# Altium PCB BW2098POE.PcbDoc (part 3 of 4) (continued)
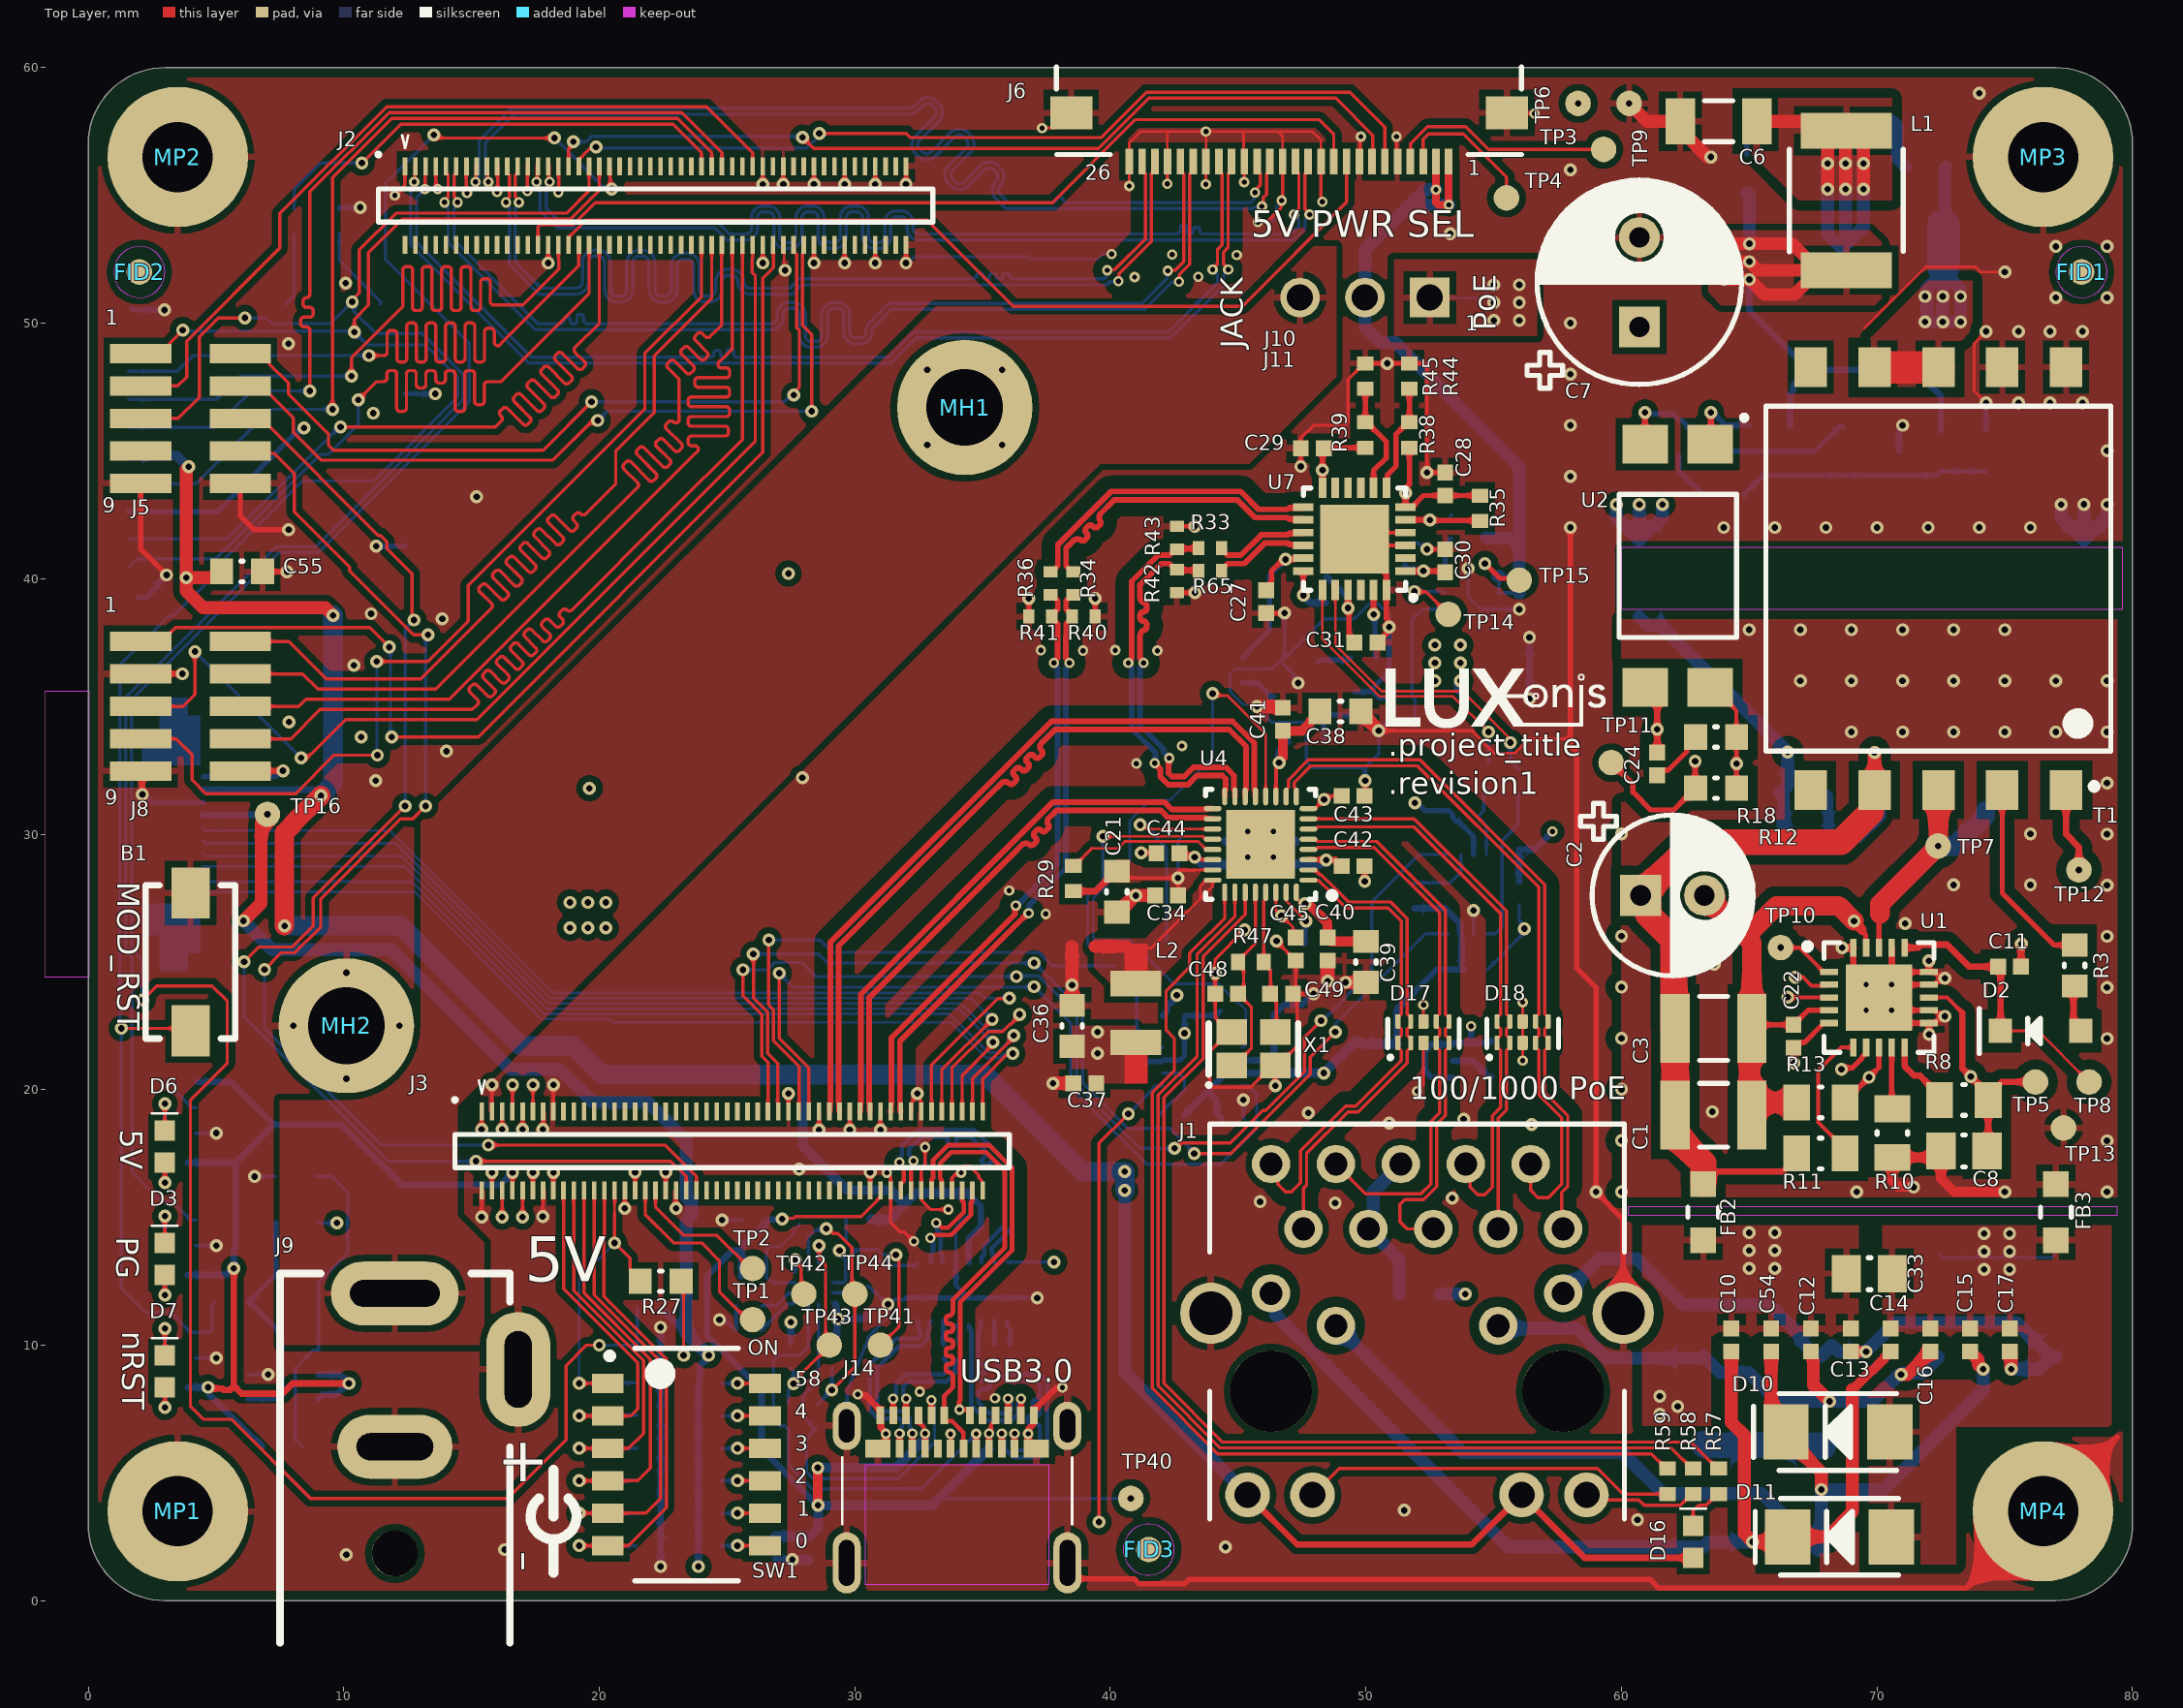
[diagram p0: Top Layer view]
## Nets (pads, with @x,y where several pads share a name; then routed paths per layer and width w, separated by ;. In a path a pad name is that pad's centre, name@x,y a point inside that pad or via, vN(x,y) a via of type N, cw(c..) or ccw(c..) an arc to the next point about the centre after c; other vN are vias at no path point) (continued)
MD2_N: D17.5 D17.6 J1.6 U4.5 | length 21.6
  Top Layer w0.13: U4.5@47.75,29.8 48.019,29.8 48.103,29.716 50.424,29.716 53.116,27.024 53.116,22.961 53.192,22.885 53.215,22.885 53.25,22.85 53.25,22.485 53.215,22.45 53.192,22.45 53.116,22.374 53.116,22.126 53.192,22.05 53.215,22.05 53.25,22.015 53.25,21.65 53.215,21.615 53.192,21.615 53.116,21.539 53.116,18.999 52.767,18.65 52.767,16.214 52.249,15.696 51.515,15.696 51.321,15.502 51.321,14.834 51.605,14.55 J1.6@52.635,14.55
MD2_P: D17.4 D17.7 J1.3 U4.4 | length 21.6
  Top Layer w0.13: U4.4@47.75,29.4 48.019,29.4 48.103,29.484 50.328,29.484 52.884,26.928 52.884,22.961 52.808,22.885 52.785,22.885 52.75,22.85 52.75,22.485 52.785,22.45 52.808,22.45 52.884,22.374 52.884,22.126 52.808,22.05 52.785,22.05 52.75,22.015 52.75,21.65 52.785,21.615 52.808,21.615 52.884,21.539 52.884,19.094 52.535,18.745 52.535,16.31 52.153,15.928 49.987,15.928 J1.3@48.825,17.09
MD3_N: D18.2 D18.9 J1.8 U4.7 | length 22.1
  Top Layer w0.13: U4.7@47.75,30.6 51.886,30.6 55.498,26.988 55.498,22.961 55.574,22.885 55.597,22.885 55.633,22.85 55.633,22.485 55.597,22.45 55.574,22.45 55.498,22.374 55.498,22.126 55.574,22.05 55.597,22.05 55.633,22.015 55.633,21.65 55.597,21.615 55.574,21.615 55.498,21.539 55.498,19.211 55.175,18.888 J1.8@55.175,14.55
MD3_P: D18.1 D18.10 J1.7 U4.6 | length 22.2
  Top Layer w0.13: U4.6@47.75,30.2 48.019,30.2 48.103,30.284 51.874,30.284 55.267,26.892 55.267,22.961 55.191,22.885 55.168,22.885 55.133,22.85 55.133,22.485 55.168,22.45 55.191,22.45 55.267,22.374 55.267,22.126 55.191,22.05 55.168,22.05 55.133,22.015 55.133,21.65 55.168,21.615 55.191,21.615 55.267,21.539 55.267,19.307 54.944,18.984 54.944,16.184 54.644,15.884 54.373,15.884 54.074,16.183 54.074,16.921 J1.7@53.905,17.09
MD4_N: D18.5 D18.6 J1.10 U4.10 | length 27.3
  Top Layer w0.13: U4.10@46.875,31.475 46.875,31.744 46.959,31.828 46.959,32.115 47.749,32.905 52.114,32.905 56.998,28.02 56.998,22.961 57.074,22.885 57.097,22.885 57.133,22.85 57.133,22.485 57.097,22.45 57.074,22.45 56.998,22.374 56.998,22.126 57.074,22.05 57.097,22.05 57.133,22.015 57.133,21.65 57.097,21.615 57.074,21.615 56.998,21.539 56.998,19.891 57.895,18.994 57.895,16.209 57.664,15.978 57.664,14.601 J1.10@57.715,14.55
MD4_P: D18.4 D18.7 J1.9 U4.9 | length 27.2
  Top Layer w0.13: U4.9@47.275,31.475 47.275,31.744 47.191,31.828 47.191,32.02 47.845,32.674 52.018,32.674 56.767,27.924 56.767,22.961 56.691,22.885 56.668,22.885 56.633,22.85 56.633,22.485 56.668,22.45 56.691,22.45 56.767,22.374 56.767,22.126 56.691,22.05 56.668,22.05 56.633,22.015 56.633,21.65 56.668,21.615 56.691,21.615 56.767,21.539 56.767,19.795 57.664,18.898 57.664,16.304 57.138,15.779 56.731,15.779 56.445,16.065 J1.9@56.445,17.09
MIPI_RX2_C_N: J2.95
MIPI_RX2_C_P: J2.97
MIPI_RX2_D0_N: J2.89
MIPI_RX2_D0_P: J2.91
MIPI_RX2_D1_N: J2.83
MIPI_RX2_D1_P: J2.85
MIPI_RX3_C_N: J2.96
MIPI_RX3_C_P: J2.98
MIPI_RX3_D0_N: J2.90
MIPI_RX3_D0_P: J2.92
MIPI_RX3_D1_N: J2.84
MIPI_RX3_D1_P: J2.86
MIPI_RX4_C_N: J2.3 J6.18 | length 43.3
  Top Layer w0.13: v2(12.759,55.531) 12.779,55.552 12.779,56.169 J2.3@12.8,56.19 ; v2(44.61,52.1) 44.61,52.125 44.42,52.314 44.42,52.78 44.606,52.965 44.606,55.844 44.741,55.978 J6.18@44.741,56.328
  Bottom Layer w0.13: v2(12.759,55.531) 12.739,55.511 12.739,55.248 12.62,55.129 12.62,53.069 17.248,48.441 31.422,48.441 32.398,49.416 42.359,49.416 44.42,51.478 44.42,51.886 44.61,52.075 v2(44.61,52.1)
MIPI_RX4_C_P: J2.5 J6.19 | length 43.4
  Top Layer w0.13: v2(13.173,55.245) 13.186,55.258 13.186,56.176 J2.5@13.2,56.19 ; v2(44,52.1) 44,52.125 44.189,52.314 44.189,52.876 44.375,53.061 44.375,55.844 44.241,55.978 J6.19@44.241,56.328
  Bottom Layer w0.13: v2(13.173,55.245) 12.852,54.924 12.852,53.164 17.344,48.672 23.482,48.672 24.355,48.672 ccw(c24.355,48.802) 24.485,48.802 24.485,48.837 cw(c24.575,48.837) 24.575,48.927 24.652,48.927 cw(c24.652,48.837) 24.742,48.837 24.742,48.762 ccw(c24.832,48.762) 24.832,48.672 24.909,48.672 ccw(c24.909,48.762) 24.998,48.762 24.998,48.888 cw(c25.088,48.888) 25.088,48.978 25.165,48.978 cw(c25.165,48.888) 25.255,48.888 25.255,48.802 ccw(c25.385,48.802) 25.385,48.672 25.706,48.672 31.327,48.672 32.302,49.648 42.264,49.648 44.189,51.573 44.189,51.886 44,52.075 v2(44,52.1)
MIPI_RX4_D0_N: J2.9 J6.21 | length 43.4
  Top Layer w0.13: v2(13.946,54.725) 13.946,54.8 14.084,54.938 14.084,55.796 14,55.88 J2.9@14,56.14 J2.9@14,56.19 ; v2(42.681,51.619) 42.699,51.637 42.699,51.904 43.106,52.312 43.106,55.844 43.241,55.978 J6.21@43.241,56.328
  Bottom Layer w0.13: v2(13.946,54.725) 13.946,54.65 14.084,54.512 14.084,53.158 17.495,49.747 26.557,49.747 26.738,49.747 ccw(c26.738,50.201) 27.192,50.201 27.192,50.351 cw(c27.415,50.351) 27.415,50.574 27.607,50.574 cw(c27.607,50.351) 27.83,50.351 27.83,49.508 ccw(c28.284,49.508) 28.284,49.054 28.476,49.054 ccw(c28.476,49.508) 28.93,49.508 28.93,50.351 cw(c29.153,50.351) 29.153,50.574 29.344,50.574 cw(c29.344,50.351) 29.568,50.351 29.568,49.646 ccw(c30.022,49.646) 30.022,49.192 30.213,49.192 ccw(c30.213,49.646) 30.668,49.646 30.668,49.688 cw(c30.891,49.688) 30.734,49.847 31.422,50.535 32.694,50.535 41.33,50.535 41.397,50.603 42.396,51.601 42.663,51.601 v2(42.681,51.619)
MIPI_RX4_D0_P: J2.11 J6.22 | length 43.4
  Top Layer w0.13: J2.11@14.4,56.19 J2.11@14.4,56.14 14.4,55.88 14.316,55.796 14.316,54.938 14.454,54.8 v2(14.454,54.725) ; v2(42.25,52.05) 42.268,52.068 42.535,52.068 42.875,52.407 42.875,55.844 42.741,55.978 J6.22@42.741,56.328
  Bottom Layer w0.13: v2(14.454,54.725) 14.454,54.65 14.316,54.512 14.316,53.254 17.591,49.978 17.606,49.978 18.483,49.978 ccw(c18.483,50.108) 18.613,50.108 18.613,50.123 cw(c18.703,50.123) 18.703,50.213 18.78,50.213 cw(c18.78,50.123) 18.869,50.123 18.869,50.068 ccw(c18.959,50.068) 18.959,49.978 19.036,49.978 ccw(c19.036,50.068) 19.126,50.068 19.126,50.246 cw(c19.216,50.246) 19.216,50.336 19.293,50.336 cw(c19.293,50.246) 19.383,50.246 19.383,50.108 ccw(c19.512,50.108) 19.512,49.978 19.834,49.978 26.557,49.978 26.738,49.978 ccw(c26.738,50.201) 26.961,50.201 26.961,50.351 cw(c27.415,50.351) 27.415,50.805 27.607,50.805 cw(c27.607,50.351) 28.061,50.351 28.061,49.508 ccw(c28.284,49.508) 28.284,49.285 28.476,49.285 ccw(c28.476,49.508) 28.699,49.508 28.699,50.351 cw(c29.153,50.351) 29.153,50.805 29.344,50.805 cw(c29.344,50.351) 29.799,50.351 29.799,49.646 ccw(c30.022,49.646) 30.022,49.423 30.213,49.423 ccw(c30.213,49.646) 30.437,49.646 30.437,49.688 cw(c30.891,49.688) 30.57,50.01 31.326,50.766 32.694,50.766 41.234,50.766 42.232,51.765 42.232,52.032 v2(42.25,52.05)
MIPI_RX4_D1_N: J2.15 J6.16 | length 43.4
  Top Layer w0.13: v2(15.159,55.53) 15.179,55.551 15.179,56.169 J2.15@15.2,56.19 ; v2(45.66,55.115) 45.66,55.19 45.875,55.405 45.875,55.844 45.741,55.978 J6.16@45.741,56.328
  Bottom Layer w0.13: v2(15.159,55.53) 15.159,55.605 15.299,55.745 15.299,57.138 16.565,58.404 31.879,58.404 32.127,58.404 ccw(c32.127,58.659) 32.307,58.479 ; 32.308,58.479 32.51,58.682 cw(c32.855,58.339) 33.161,58.716 33.165,58.716 33.198,58.683 cw(c32.855,58.339) 33.2,58.682 33.289,58.593 cw(c32.945,58.248) 33.29,58.592 33.323,58.559 33.323,58.555 cw(c32.945,58.248) 33.288,57.904 32.541,57.156 ; 32.54,56.794 cw(c32.72,56.975) 32.54,57.156 ; 32.541,56.794 32.63,56.705 ; 32.63,56.705 ccw(c32.811,56.885) 32.991,56.705 ; 32.992,56.705 33.739,57.453 cw(c34.084,57.11) 34.39,57.488 34.394,57.488 34.427,57.454 cw(c34.084,57.11) 34.428,57.453 34.517,57.364 cw(c34.174,57.02) 34.519,57.363 34.552,57.33 34.552,57.326 cw(c34.174,57.02) 34.517,56.675 33.828,55.986 ccw(c34.008,55.805) 33.828,55.624 33.917,55.535 ccw(c34.098,55.714) 34.279,55.534 34.911,56.167 cw(c35.256,55.824) 35.562,56.202 35.566,56.202 35.599,56.169 cw(c35.256,55.824) 35.6,56.167 35.689,56.078 cw(c35.346,55.734) 35.691,56.077 35.724,56.044 35.724,56.04 cw(c35.346,55.734) 35.691,55.391 ; 35.69,55.39 ccw(c35.87,55.21) 35.69,55.029 35.954,54.765 ; 35.955,54.764 36.002,54.717 36.163,54.717 37.69,54.717 37.755,54.717 ccw(c37.735,54.869) 37.885,54.838 cw(c37.975,54.838) 37.975,54.928 38.052,54.928 cw(c38.052,54.838) 38.142,54.838 ccw(c38.291,54.87) 38.291,54.717 39.73,54.717 39.795,54.717 45.496,54.717 45.625,54.846 45.625,55.08 v2(45.66,55.115)
MIPI_RX4_D1_P: J2.17 J6.15 | length 43.3
  Top Layer w0.13: J2.17@15.6,56.14 15.625,56.115 15.625,55.553 v2(15.657,55.521) ; v2(45.931,54.569) 45.984,54.622 45.984,54.916 46.106,55.039 46.106,55.844 46.241,55.978 J6.15@46.241,56.328
  Bottom Layer w0.13: v2(15.657,55.521) 15.657,55.596 15.53,55.723 15.53,57.042 16.661,58.173 31.647,58.173 32.127,58.173 ccw(c32.127,58.659) 32.471,58.316 32.674,58.518 ; 32.674,58.519 cw(c32.855,58.339) 33.036,58.518 33.125,58.43 cw(c32.945,58.248) 33.125,58.068 ; 33.125,58.067 32.377,57.32 ccw(c32.72,56.975) 32.377,56.631 32.466,56.542 ccw(c32.811,56.885) 33.155,56.542 33.903,57.289 cw(c34.084,57.11) 34.265,57.289 ; 34.265,57.289 34.353,57.201 cw(c34.174,57.02) 34.354,56.839 33.664,56.149 ccw(c34.008,55.805) 33.664,55.46 33.753,55.371 ccw(c34.098,55.714) 34.442,55.371 35.075,56.004 ; 35.075,56.004 cw(c35.256,55.824) 35.437,56.004 35.525,55.915 cw(c35.346,55.734) 35.526,55.553 ; 35.526,55.553 ccw(c35.87,55.21) 35.527,54.865 35.791,54.601 ; 35.792,54.6 35.906,54.486 35.931,54.486 45.592,54.486 45.651,54.545 45.908,54.545 v2(45.931,54.569)
MIPI_RX5_D0_N: J2.21 J6.24 | length 43.4
  Top Layer w0.13: v2(16.346,54.725) 16.346,54.8 16.484,54.938 16.484,55.796 16.4,55.88 J2.21@16.4,56.14 J2.21@16.4,56.19 ; v2(40.313,51.637) 40.33,51.655 40.33,51.923 41.606,53.198 41.606,55.844 41.741,55.978 J6.24@41.741,56.328
  Bottom Layer w0.13: v2(16.346,54.725) 16.346,54.65 16.484,54.512 16.484,52.278 17.628,51.134 18.904,51.134 19.085,51.134 ccw(c19.085,51.62) 19.571,51.62 19.571,52.365 cw(c19.826,52.365) 19.826,52.62 19.954,52.62 cw(c19.954,52.365) 20.209,52.365 20.209,51.305 ccw(c20.695,51.305) 20.695,50.819 20.823,50.819 ccw(c20.823,51.305) 21.309,51.305 21.309,52.365 cw(c21.564,52.365) 21.564,52.62 21.692,52.62 cw(c21.692,52.365) 21.947,52.365 21.947,51.305 ccw(c22.433,51.305) 22.433,50.819 22.561,50.819 ccw(c22.561,51.305) 23.047,51.305 23.047,52.246 cw(c23.302,52.246) 23.302,52.502 23.43,52.502 cw(c23.43,52.246) 23.685,52.246 23.685,51.305 ccw(c24.171,51.305) 24.171,50.819 24.299,50.819 ccw(c24.299,51.305) 24.785,51.305 24.785,51.62 cw(c25.04,51.62) 25.04,51.875 25.167,51.875 cw(c25.167,51.62) 25.423,51.62 ccw(c25.909,51.62) 25.909,51.134 27.133,51.134 27.551,51.134 27.917,51.499 39.861,51.499 39.981,51.62 40.295,51.62 v2(40.313,51.637)
MIPI_RX5_D0_P: J2.23 J6.25 | length 43.4
  Top Layer w0.13: J2.23@16.8,56.19 J2.23@16.8,56.14 16.8,55.88 16.716,55.796 16.716,54.938 16.854,54.8 v2(16.854,54.725) ; v2(39.882,52.068) 39.899,52.086 40.167,52.086 41.375,53.294 41.375,55.844 41.241,55.978 J6.25@41.241,56.328
  Bottom Layer w0.13: v2(16.854,54.725) 16.854,54.65 16.716,54.512 16.716,52.374 17.724,51.365 18.904,51.365 19.085,51.365 ccw(c19.085,51.62) 19.34,51.62 19.34,52.365 cw(c19.826,52.365) 19.826,52.851 19.954,52.851 cw(c19.954,52.365) 20.44,52.365 20.44,51.305 ccw(c20.695,51.305) 20.695,51.05 20.823,51.05 ccw(c20.823,51.305) 21.078,51.305 21.078,52.365 cw(c21.564,52.365) 21.564,52.851 21.692,52.851 cw(c21.692,52.365) 22.178,52.365 22.178,51.305 ccw(c22.433,51.305) 22.433,51.05 22.561,51.05 ccw(c22.561,51.305) 22.816,51.305 22.816,52.246 cw(c23.302,52.246) 23.302,52.733 23.43,52.733 cw(c23.43,52.246) 23.916,52.246 23.916,51.305 ccw(c24.171,51.305) 24.171,51.05 24.299,51.05 ccw(c24.299,51.305) 24.554,51.305 24.554,51.62 cw(c25.04,51.62) 25.04,52.106 25.167,52.106 cw(c25.167,51.62) 25.654,51.62 ccw(c25.909,51.62) 25.909,51.365 27.133,51.365 27.243,51.365 27.456,51.365 27.821,51.73 34.571,51.73 34.636,51.73 ccw(c34.636,51.86) 34.765,51.86 34.765,51.862 cw(c34.855,51.862) 34.855,51.951 34.932,51.951 cw(c34.932,51.862) 35.022,51.862 35.022,51.82 ccw(c35.112,51.82) 35.112,51.73 35.189,51.73 ccw(c35.189,51.82) 35.279,51.82 35.279,51.862 cw(c35.369,51.862) 35.369,51.951 35.446,51.951 cw(c35.446,51.862) 35.535,51.862 35.535,51.82 ccw(c35.625,51.82) 35.625,51.73 35.702,51.73 ccw(c35.702,51.82) 35.792,51.82 35.792,51.862 cw(c35.882,51.862) 35.882,51.951 35.959,51.951 cw(c35.959,51.862) 36.049,51.862 36.049,51.86 ccw(c36.178,51.86) 36.178,51.73 36.528,51.73 39.765,51.73 39.841,51.806 39.841,52.027 v2(39.882,52.068)
MIPI_RX5_D1_N: J2.27 J6.12 | length 43.3
  Top Layer w0.13: J6.12@47.741,56.328 47.741,55.978 47.606,55.844 47.606,55.634 47.606,54.464 47.795,54.275 v2(47.795,54.25)
  Top Layer w0.152: v2(17.546,55.525) 17.573,55.552 17.573,56.163 J2.27@17.6,56.19
  Bottom Layer w0.13: v2(17.546,55.525) 17.546,55.45 17.684,55.312 17.684,54.403 18.356,53.731 24.518,53.731 24.991,53.257 25.554,53.257 25.734,53.257 ccw(c25.734,53.712) 26.189,53.712 26.189,54.129 cw(c26.412,54.129) 26.412,54.353 26.603,54.353 cw(c26.603,54.129) 26.827,54.129 26.827,53.383 ccw(c27.281,53.383) 27.281,52.929 27.472,52.929 ccw(c27.472,53.383) 27.927,53.383 27.927,54.129 cw(c28.15,54.129) 28.15,54.353 28.341,54.353 cw(c28.341,54.129) 28.564,54.129 28.564,53.383 ccw(c29.019,53.383) 29.019,52.929 29.21,52.929 ccw(c29.21,53.383) 29.665,53.383 29.665,54.129 cw(c29.888,54.129) 29.888,54.353 30.079,54.353 cw(c30.079,54.129) 30.302,54.129 30.302,53.383 ccw(c30.757,53.383) 30.757,52.929 30.948,52.929 ccw(c30.948,53.383) 31.403,53.383 31.403,53.942 cw(c31.626,53.942) 31.626,54.165 31.817,54.165 cw(c31.817,53.942) 32.04,53.942 32.04,53.712 ccw(c32.495,53.712) 32.495,53.257 34.558,53.257 39.704,53.257 47.173,53.257 47.606,53.691 47.606,54.036 47.795,54.225 v2(47.795,54.25)
MIPI_RX5_D1_P: J2.29 J6.13 | length 43.4
  Top Layer w0.13: v2(47.186,54.25) 47.186,54.275 47.375,54.464 47.375,55.538 47.375,55.844 47.241,55.978 J6.13@47.241,56.328
  Top Layer w0.152: J2.29@18,56.19 18.027,56.163 18.027,55.552 v2(18.054,55.525)
  Bottom Layer w0.13: v2(18.054,55.525) 18.054,55.45 17.916,55.312 17.916,54.499 18.452,53.963 24.613,53.963 25.087,53.489 25.554,53.489 25.734,53.489 ccw(c25.734,53.712) 25.958,53.712 25.958,54.129 cw(c26.412,54.129) 26.412,54.584 26.603,54.584 cw(c26.603,54.129) 27.058,54.129 27.058,53.383 ccw(c27.281,53.383) 27.281,53.16 27.472,53.16 ccw(c27.472,53.383) 27.696,53.383 27.696,54.129 cw(c28.15,54.129) 28.15,54.584 28.341,54.584 cw(c28.341,54.129) 28.796,54.129 28.796,53.383 ccw(c29.019,53.383) 29.019,53.16 29.21,53.16 ccw(c29.21,53.383) 29.433,53.383 29.433,54.129 cw(c29.888,54.129) 29.888,54.584 30.079,54.584 cw(c30.079,54.129) 30.534,54.129 30.534,53.383 ccw(c30.757,53.383) 30.757,53.16 30.948,53.16 ccw(c30.948,53.383) 31.171,53.383 31.171,53.942 cw(c31.626,53.942) 31.626,54.397 31.817,54.397 cw(c31.817,53.942) 32.272,53.942 32.272,53.712 ccw(c32.495,53.712) 32.495,53.489 34.558,53.489 39.799,53.489 42.535,53.489 42.6,53.489 ccw(c42.6,53.618) 42.73,53.618 42.73,53.732 cw(c42.819,53.732) 42.819,53.822 42.896,53.822 cw(c42.896,53.732) 42.986,53.732 42.986,53.579 ccw(c43.076,53.579) 43.076,53.489 43.153,53.489 ccw(c43.153,53.579) 43.243,53.579 43.243,53.663 cw(c43.333,53.663) 43.333,53.753 43.41,53.753 cw(c43.41,53.663) 43.5,53.663 43.5,53.618 ccw(c43.629,53.618) 43.629,53.489 44.478,53.489 47.077,53.489 47.375,53.786 47.375,54.036 47.186,54.225 v2(47.186,54.25)
MODULE_nRST: B1.2 D1.2 J2.39 J5.1 Q4.1 | length 80
  Top Layer w0.127: v1(1.3,22.4) 3.9,22.4 B1.2@4,22.3 ; J5.1@2.05,48.748 2.776,48.748 J5.1@2.808,48.748 ; J5.1@2.05,48.81 2.87,48.81 3.187,49.127 3.187,49.22 v1(3.698,49.732) ; v1(10.414,49.651) 10.414,50.15 10.968,50.704 10.968,52.754 12.289,54.075 18.875,54.075 20,55.2 J2.39@20,56.14
  Bottom Layer w0.127: v1(3.698,49.732) 3.738,49.691 v1@10.373,49.691 ; Q4.1@4.22,10.5 Q4.1@4.015,10.5 ; D1.2@4.94,11.7 4.84,11.6 4.84,10.574 4.766,10.5 Q4.1@4.015,10.5 ; v1(10.414,49.651) v1@10.373,49.691 ; Q4.1@4.015,10.5 3.225,11.29 2.229,11.29 1.3,12.219 v1(1.3,22.4) 1.242,22.458 1.242,36.618 3.142,38.518 3.313,38.518 5.213,40.417 5.213,40.665 8.367,43.819 11.166,43.819 14.454,47.107 14.454,47.878 13.183,49.15 10.915,49.15 v1@10.373,49.691
NetC4_1: C4.1 D4.1 R4.1 | length 4.4
  Bottom Layer w0.381: C4.1@68,31.6 68.1,31.5 68.1,30.11 68.198,30.011 R4.1@68.298,30.011 ; R4.1@68.1,29.8 68.251,29.8 68.3,29.849 69.307,29.849 70.168,30.709 D4.1@70.168,30.9
NetC5_1: C5.1 R5.1 | length 2
  Bottom Layer w0.5: R5.1@70.6,57.9 70.8,57.7 70.8,56.45 71.1,56.15 C5.1@71.1,56.1
NetC6_2: C6.2 D5.1 L1.1 R5.2 | length 26.2
  Top Layer w0.5: C6.2@65.3,57.9 68.43,57.9 L1.1@68.8,57.53 ; v1(68.068,55.243) v1(68.068,56.243) 68.068,56.881 68.717,57.53 L1.1@68.8,57.53 ; v1(68.768,55.243) v1(68.768,56.243) 68.768,57.498 L1.1@68.8,57.53 ; v1(69.468,55.243) v1(69.468,56.243) 69.468,56.881 68.819,57.53 L1.1@68.8,57.53
  Bottom Layer w0.5: R5.2@68.568,57.374 68.068,56.874 v1(68.068,56.243) v1(68.068,55.243) 68.068,53.47 D5.1@68.618,52.92 D5.1@68.768,53.07 ; R5.2@68.7,57.506 R5.2@68.7,57.725 ; R5.2@68.7,57.9 R5.2@68.7,57.725 ; R5.2@68.768,57.355 68.768,57.011 v1(68.768,56.243) v1(68.768,55.243) D5.1@68.768,53.07 ; R5.2@68.7,57.725 68.919,57.506 69.468,56.957 v1(69.468,56.243) v1(69.468,55.243) 69.468,53.77 D5.1@68.768,53.07
NetC23_1: C23.1 U2.2 U5.2 | length 10
  Top Layer w0.203: v1(60.92,46.507) 60.92,45.27 U2.2@60.93,45.26
  Bottom Layer w0.203: v1(60.92,46.507) 61.002,46.507 61.061,46.448 62.002,46.448 62.25,46.2 62.35,46.2 63.562,44.988 67.563,44.988 68.525,45.95 U5.2@68.65,45.95
NetC23_2: C23.2 R17.2 | length 2
  Bottom Layer w0.203: C23.2@62.25,44.8 62.25,44.2 62.802,43.648 62.852,43.648 63.2,43.3 R17.2@63.2,43.25
NetC24_2: C24.2 R18.1 | length 2.3
  Top Layer w0.203: C24.2@61.4,32.3 61.608,32.508 61.831,32.508 62.552,33.229 62.552,33.452 R18.1@62.9,33.8
NetC50_2: C50.2 J1.4 J1.5 | length 6.1
  Bottom Layer w0.508: C50.2@51.3,12 51.3,13.345 J1.4@50.095,14.55 50.285,14.74 50.285,16.01 J1.5@51.365,17.09
NetC58_2: C58.2 U9.8 | length 1.5
  Bottom Layer w0.203: U9.8@53.1,40.1 53.1,41.35 C58.2@53.3,41.55
NetD2_2: D2.2 R3.1 | length 1.9
  Top Layer w0.254: R3.1@77.733,24.061 77.685,24.013 77.685,22.59 D2.2@77.975,22.3
NetD3_1: D3.1 Q2.3 | length 1.7
  Top Layer w0.127: v1(2.999,15.048) D3.1@2.999,14.001 D3.1@2.999,14.001
  Bottom Layer w0.127: Q2.3@2.999,14.401 v1(2.999,15.048)
NetD6_1: D6.1 Q3.3 | length 1.7
  Top Layer w0.127: D6.1@2.999,18.401 v1(2.999,19.449)
  Bottom Layer w0.127: v1(2.999,19.449) Q3.3@3,18.8 Q3.3@3,18.8
NetD7_1: D7.1 Q4.3 | length 1.7
  Top Layer w0.127: v1(2.999,10.648) D7.1@3,9.6 D7.1@3.001,9.599
  Bottom Layer w0.127: Q4.3@3,10 v1(2.999,10.648)
NetQ3_1: Q3.1 R54.1 | length 1.5
  Bottom Layer w0.127: R54.1@3.35,20.3 3.451,20.199 3.451,19.909 3.929,19.432 3.929,19.386 4.015,19.3 Q3.1@4.22,19.3
NetR2_1: R2.1 SW1.12 | length 1.7
  Top Layer w0.102: v1(25.404,8.504) SW1.12@26.481,8.504
  Bottom Layer w0.102: R2.1@24.781,8.524 24.801,8.504 v1(25.404,8.504)
NetR3_2: R3.2 T1.2 | length 7.7
  Top Layer w0.203: T1.2@74.9,31.75 74.9,27.695 76.935,25.661 R3.2@77.733,25.661
NetR6_1: R6.1 U3.6 | length 2.7
  Bottom Layer w0.127: R6.1@51.9,28.1 53.3,28.1 53.713,28.513 U3.6@53.713,29.202
NetR7_1: R7.1 SW1.10 | length 1.7
  Top Layer w0.102: v1(25.404,5.964) SW1.10@26.481,5.964
  Bottom Layer w0.127: R7.1@24.791,5.954 24.801,5.964 25.394,5.964 v1@25.404,5.954
NetR9_1: R9.1 SW1.11 | length 1.7
  Top Layer w0.102: v1(25.404,7.234) SW1.11@26.481,7.234
  Bottom Layer w0.102: R9.1@24.781,7.244 24.791,7.234 v1(25.404,7.234)
NetR14_1: R14.1 R15.2 R17.1 U5.1 | length 9.9
  Bottom Layer w0.203: R17.1@64.8,43.25 64.8,43.3 65.55,44.05 U5.1@68.65,44.05 72.35,44.05 R14.1@72.5,44.2 R15.2@74.25,44.2
NetR16_1: R16.1 SW1.7 | length 1.7
  Top Layer w0.102: v1(25.404,2.154) SW1.7@26.481,2.154
  Bottom Layer w0.127: R16.1@24.781,2.124 24.811,2.154 25.374,2.154 v1@25.404,2.124
NetR24_1: R24.1 U2.1 | length 3
  Top Layer w0.203: U2.1@63.47,45.26 63.5,45.29 v1(63.5,46.5)
  Bottom Layer w0.203: v1(63.5,46.5) 63.582,46.5 64.079,46.004 64.996,46.004 R24.1@65,46
NetR48_2: R48.2 U4.31 | length 2.4
  Top Layer w0.102: U4.31@46.875,27.725 46.894,27.706 46.894,27.36 v1(47.649,26.604)
  Bottom Layer w0.127: R48.2@47.56,25.64 47.649,25.729 v1(47.649,26.604)
NetR50_1: R50.1 U6.6 | length 2.9
  Bottom Layer w0.127: R50.1@41.9,18.97 41.9,19.02 42.441,19.561 42.507,19.561 42.9,19.953 42.9,20.439 42.689,20.65 U6.6@42.05,20.65
NetR60_1: R60.1 SW1.9 | length 1.7
  Top Layer w0.102: v1(25.404,4.694) SW1.9@26.481,4.694
  Bottom Layer w0.127: R60.1@24.781,4.684 24.791,4.694 25.394,4.694 v1@25.404,4.684
NetR61_1: R61.1 SW1.8 | length 1.7
  Top Layer w0.102: v1(25.404,3.424) SW1.8@26.481,3.424
  Bottom Layer w0.127: R61.1@24.791,3.394 24.821,3.424 25.374,3.424 v1@25.404,3.394
NetR185_1: R185.1 U61.2 | length 2.1
  Bottom Layer w0.127: R185.1@30.5,13.3 31.244,13.3 31.43,13.113 32.388,13.113 32.45,13.175 U61.2@32.45,13.25
NetR186_1: R186.1 TP41.1 U61.9 U62.11 | length 18.4
  Top Layer w0.127: TP41.1@31.1,10.1 31.719,10.719 31.719,13.314 31.604,13.429 v1(31.604,13.532)
  Layer 3 w0.127: v1(31.604,13.532) 31.604,13.119 32.609,12.114 36.658,12.114 v1(37.796,13.251)
  Bottom Layer w0.127: U62.11@29.125,12.051 29.566,12.051 29.869,12.354 29.869,13.502 30.037,13.67 ; R186.1@29.636,14.923 29.657,14.902 29.657,14.049 30.037,13.67 ; v1(31.604,13.532) 31.101,13.532 30.893,13.74 30.107,13.74 30.037,13.67 ; U61.9@35.951,13.251 v1(37.796,13.251)
NetR213_1: R213.1 RZ28.1 TP44.1 U62.7 | length 11.6
  Top Layer w0.127: v1(28.88,14.554) 28.961,14.554 29.145,14.371 29.336,14.371 29.889,13.818 29.889,12.111 TP44.1@30,12 30,9.15 v1(29.1,8.25)
  Bottom Layer w0.127: U62.7@28.175,12.901 28.175,14.208 28.468,14.501 28.827,14.501 v1(28.88,14.554) ; RZ28.1@28.5,7.7 28.55,7.7 v1(29.1,8.25) R213.1@29.1,9.1 29.1,8.617
NetR214_1: R214.1 RZ29.1 TP43.1 U62.8 | length 8.7
  Top Layer w0.127: v1(27.6,8.486) 27.6,8.562 29,9.962 28.855,10.107 28.855,13.145 28.6,13.4 v1(28.6,13.9)
  Bottom Layer w0.127: RZ29.1@27.4,7.7 27.4,8.286 v1(27.6,8.486) 27.6,9 R214.1@27.5,9.1 ; U62.8@28.575,12.901 28.588,12.913 28.588,13.888 v1(28.6,13.9)
NetTP42_1: TP42.1 U62.6 | length 2.1
  Top Layer w0.127: v1(27.668,13.35) 27.668,13.275 27.9,13.043 TP42.1@27.9,11.9
  Bottom Layer w0.127: U62.6@27.625,12.851 27.666,12.892 v1@27.666,13.35
nMR: C51.2 R51.1 U8.4 | length 12.6
  Bottom Layer w0.102: R51.1@8.397,5.997 R51.1@8.4,6 ; C51.2@8.9,16.6 C51.2@8.923,16.623
  Bottom Layer w0.127: R51.1@8.399,5.999 8.1,6.297 8.1,9.096 8.808,9.804 U8.4@9.008,9.804 9.008,12.446 10.148,13.587 10.148,15.992 9.541,16.6 C51.2@8.9,16.6
nRST_LED: D7.2 R56.1 | length 1.6
  Top Layer w0.127: v1(3,7.561) D7.2@3,8.35
  Bottom Layer w0.127: v1(3,7.561) R56.1@3,8.35
OE_DIFF0: R35.2 U7.5 | length 2.9
  Top Layer w0.206: U7.5@51.55,42.3 v1(52.5,42.3) 52.525,42.275 54.438,42.275 R35.2@54.463,42.25
OE_DIFF1: R37.2 U7.18 | length 2
  Top Layer w0.206: v1(47.55,39.35) U7.18@47.55,40.3
  Bottom Layer w0.254: v1(47.55,39.35) 47.55,39.316 47.816,39.05 R37.2@48.45,39.05
OS_EN: OS1.1 R30.1 | length 1.8
  Bottom Layer w0.206: R30.1@45.158,35.917 45.758,35.917 46.261,35.414 46.261,35.314 46.483,35.092 OS1.1@46.583,35.092
OS_OUT: OS1.3 R64.2 | length 1.3
  Bottom Layer w0.206: OS1.3@48.133,36.742 48.208,36.817 49.317,36.817 R64.2@49.4,36.9
OS_VIN: C20.1 FB1.1 OS1.4 | length 2.9
  Bottom Layer w0.206: OS1.4@48.233,35.092 OS1.4@48.133,35.092 48.348,34.877 FB1.1@48.348,33.617 ; OS1.4@48.398,34.927 48.658,34.667 C20.1@49.558,34.667
PCIE_1V0: C36.2 C37.2 C42.2 C43.2 C44.2 C45.2 C46.2 C47.2 L2.2 U4.3 U4.8 U4.22 U4.30 | length 26.9
  Top Layer w0.102: U4.30@46.475,27.725 46.475,27.025 v1(46.696,26.804) 47.147,26.353 47.147,26.053 C45.2@47.25,25.95 ; U4.8@47.75,31 48,31 v1(48.361,31.361) 48.5,31.5 C43.2@48.75,31.5
  Top Layer w0.152: v1@43.383,29.183 43.567,29 U4.22@44,29
  Top Layer w0.203: U4.3@47.75,29 C42.2@48.8,29
  Top Layer w0.254: C44.2@42.7,29.25 42.801,29.149 43.251,29.149 v1(43.3,29.1) ; C42.2@48.8,29 C42.2@49.05,28.75
  Layer 3 w0.508: v1(39.5,21.417) v1(39.5,22.25) 39.5,22.661 44.114,27.275 ; v1(43.3,29.1) 44.114,28.286 44.114,27.275 ; v1(46.696,26.804) 46.225,27.275 ; v1(48.361,31.361) 47.938,30.938 47.938,28.988 ; v1(48.45,28.988) 47.938,28.988 ; 44.114,27.275 46.225,27.275 ; 46.225,27.275 47.938,28.988
  Bottom Layer w0.381: v1(43.3,29.1) 43.334,29.1 43.621,28.813 C47.2@44.525,28.813 ; C46.2@47.225,28.819 48.198,28.819 48.368,28.988 v1(48.45,28.988)
PCIe_CLKREQ_N_1V8: J3.65 U6.4 | length 31.8
  Top Layer w0.127: v1(27.04,24.559) 27.04,22.018 28.2,20.858 J3.65@28.2,19.14
  Bottom Layer w0.127: v1(27.04,24.559) 27.593,24.007 36.985,24.007 v1(37.008,24.029) 38.448,22.59 38.448,20.067 41.437,17.079 44.312,17.079 45.725,18.492 45.725,19.825 45.4,20.15 U6.4@45.15,20.15
PCIe_CLKREQ_N_3V3: R46.2 U4.12 U6.1 | length 25.8
  Top Layer w0.102: v1(44,35.5) 44.078,35.422 44.578,35.422 46.075,33.925 U4.12@46.075,31.475
  Bottom Layer w0.102: v1(44,35.5) 44,32.993 42.349,31.341 41.57,31.341 40.759,30.531 40.759,28.91 39.324,27.474 39.324,25.925 39.383,25.865 40.762,25.865 42.483,24.144 44.231,24.144 45.026,23.349 45.076,23.349 45.3,23.125 R46.2@45.3,23.075 45.3,21.749 45.201,21.65 U6.1@45.15,21.65
PCIe_ISOLATE_N_1V8: R27.2 U6.5 | length 41.3
  Top Layer w0.127: R27.2@23.2,12.5 23.3,12.4 v1(23.3,9.6) ; v1(39.557,3.079) 39.557,17.907 v1(40.702,19.052)
  Layer 3 w0.127: v1(23.3,9.6) 24.934,7.966 25.709,7.966 26.581,7.094 26.581,5.119 28.621,3.079 v1(39.557,3.079)
  Bottom Layer w0.127: v1(40.702,19.052) 41.8,20.15 U6.5@42.05,20.15
PCIe_ISOLATE_N_3V3: R49.2 U4.20 U6.8 | length 16.2
  Top Layer w0.102: v1(39.712,29.912) 39.716,29.916 43.608,29.916 43.723,29.8 U4.20@44,29.8
  Bottom Layer w0.127: v1(39.712,29.912) 39.712,28.167 39.108,27.564 39.108,25.724 39.182,25.649 39.436,25.649 40.047,25.649 40.672,25.649 41.032,25.289 41.032,22.418 U6.8@41.8,21.65 ; R49.2@40.8,21.47 41.62,21.47 U6.8@41.8,21.65 ; U6.8@42.05,21.65 U6.8@41.8,21.65
PCIe_PERST_1V8: J3.63 Q1.1 | length 21.2
  Top Layer w0.127: v1(26.633,25.855) 26.621,25.843 26.621,23.325 26.812,23.135 26.812,21.923 27.819,20.916 27.819,19.159 J3.63@27.8,19.14
  Bottom Layer w0.127: v1(26.633,25.855) 28.635,25.855 29.113,25.377 37.187,25.377 37.714,24.85 Q1.1@40.2,24.85
PCIe_PERST_N_3V3: Q1.3 R28.2 U4.19 | length 8
  Top Layer w0.102: v1(41.166,30.363) 41.276,30.363 41.438,30.2 U4.19@44,30.2
  Bottom Layer w0.127: v1(41.166,30.363) 41.239,30.29 41.46,30.29 41.8,29.95 41.8,29.85 42.2,29.45 Q1.3@42.2,25.8
PCIe_WAKE_N: R29.2 U4.21 | length 6
  Top Layer w0.102: 39.275,29.439 40.287,29.439 40.561,29.712 43.438,29.712 43.75,29.4 U4.21@44,29.4
  Top Layer w0.127: R29.2@38.552,28.766 38.602,28.766 39.275,29.439
PG_LED: D3.2 R53.1 | length 1.6
  Top Layer w0.127: v1(2.999,11.962) D3.2@2.999,12.751
  Bottom Layer w0.127: v1(2.999,11.962) R53.1@2.999,12.75
RCL: R10.2 U1.9 | length 2.4
  Top Layer w0.203: U1.9@70.576,21.657 70.576,19.274 R10.2@70.6,19.25
RDET: R11.2 U1.6 | length 5.3
  Top Layer w0.152: R11.2@68.75,17.5 68.75,17.675 67.7,18.725 67.7,20.754 68.604,21.657 U1.6@68.969,21.657
REF_CLK_SS0: R38.2 R44.1 U7.7 | length 4.3
  Top Layer w0.206: U7.7@50.8,43.55 50.847,43.597 50.847,44.074 51.171,44.398 51.171,45.646 51.65,46.125 R38.2@51.7,46.125 R44.1@51.7,47.425
REF_CLK_SS1: R39.2 R45.1 U7.8 | length 4.5
  Top Layer w0.206: R45.1@49.975,47.425 R39.2@49.975,46.125 50.025,46.125 50.8,45.35 50.8,44.73 50.3,44.23 U7.8@50.3,43.55
REGOUT: L2.1 U4.24 | length 7
  Top Layer w0.102: 40.605,25.6 40.657,25.548 41.602,25.548 43.512,27.457 ; 43.512,27.457 43.512,27.962 43.734,28.184 43.787,28.184 43.803,28.2 U4.24@44,28.2 44,27.945 43.512,27.457
  Top Layer w0.508: 39.4,25.6 40.605,25.6
RST_1: D1.1 R52.2 U8.1 | length 9.2
  Bottom Layer w0.206: U8.1@6.258,7.904 7.48,7.904 7.6,8.024 7.6,10.3 7.4,10.5 7.4,10.6 D1.1@6.3,11.7 ; D1.1@6.26,11.7 D1.1@6.3,11.7 ; R52.2@7.341,14.783 7.341,12.741 D1.1@6.3,11.7
RXB_N: J14.B10 U61.18 | length 7.4
  Top Layer w0.178: J14.B10@32.25,5.95 v2(32.25,6.534)
  Bottom Layer w0.178: v2(32.25,6.534) 32.206,6.578 32.206,6.743 32.14,6.809 32.14,7.12 31.852,7.408 31.028,7.408 30.87,7.566 30.87,9.108 31.736,9.974 32.572,9.974 32.84,10.242 32.84,10.552 32.914,10.627 32.914,10.914 U61.18@32.95,10.95
RXB_P: J14.B11 U61.19 | length 7.4
  Top Layer w0.178: J14.B11@31.75,5.95 v2(31.75,6.534)
  Bottom Layer w0.178: v2(31.75,6.534) 31.794,6.578 31.794,6.743 31.86,6.809 31.86,7.004 31.736,7.128 30.912,7.128 30.59,7.45 30.59,9.224 31.62,10.254 32.456,10.254 32.56,10.358 32.56,10.552 32.486,10.627 32.486,10.914 U61.19@32.45,10.95